# EAGLE board 14202-RedBoard-Panel (EAGLE 9.0.1), part 5 of 6
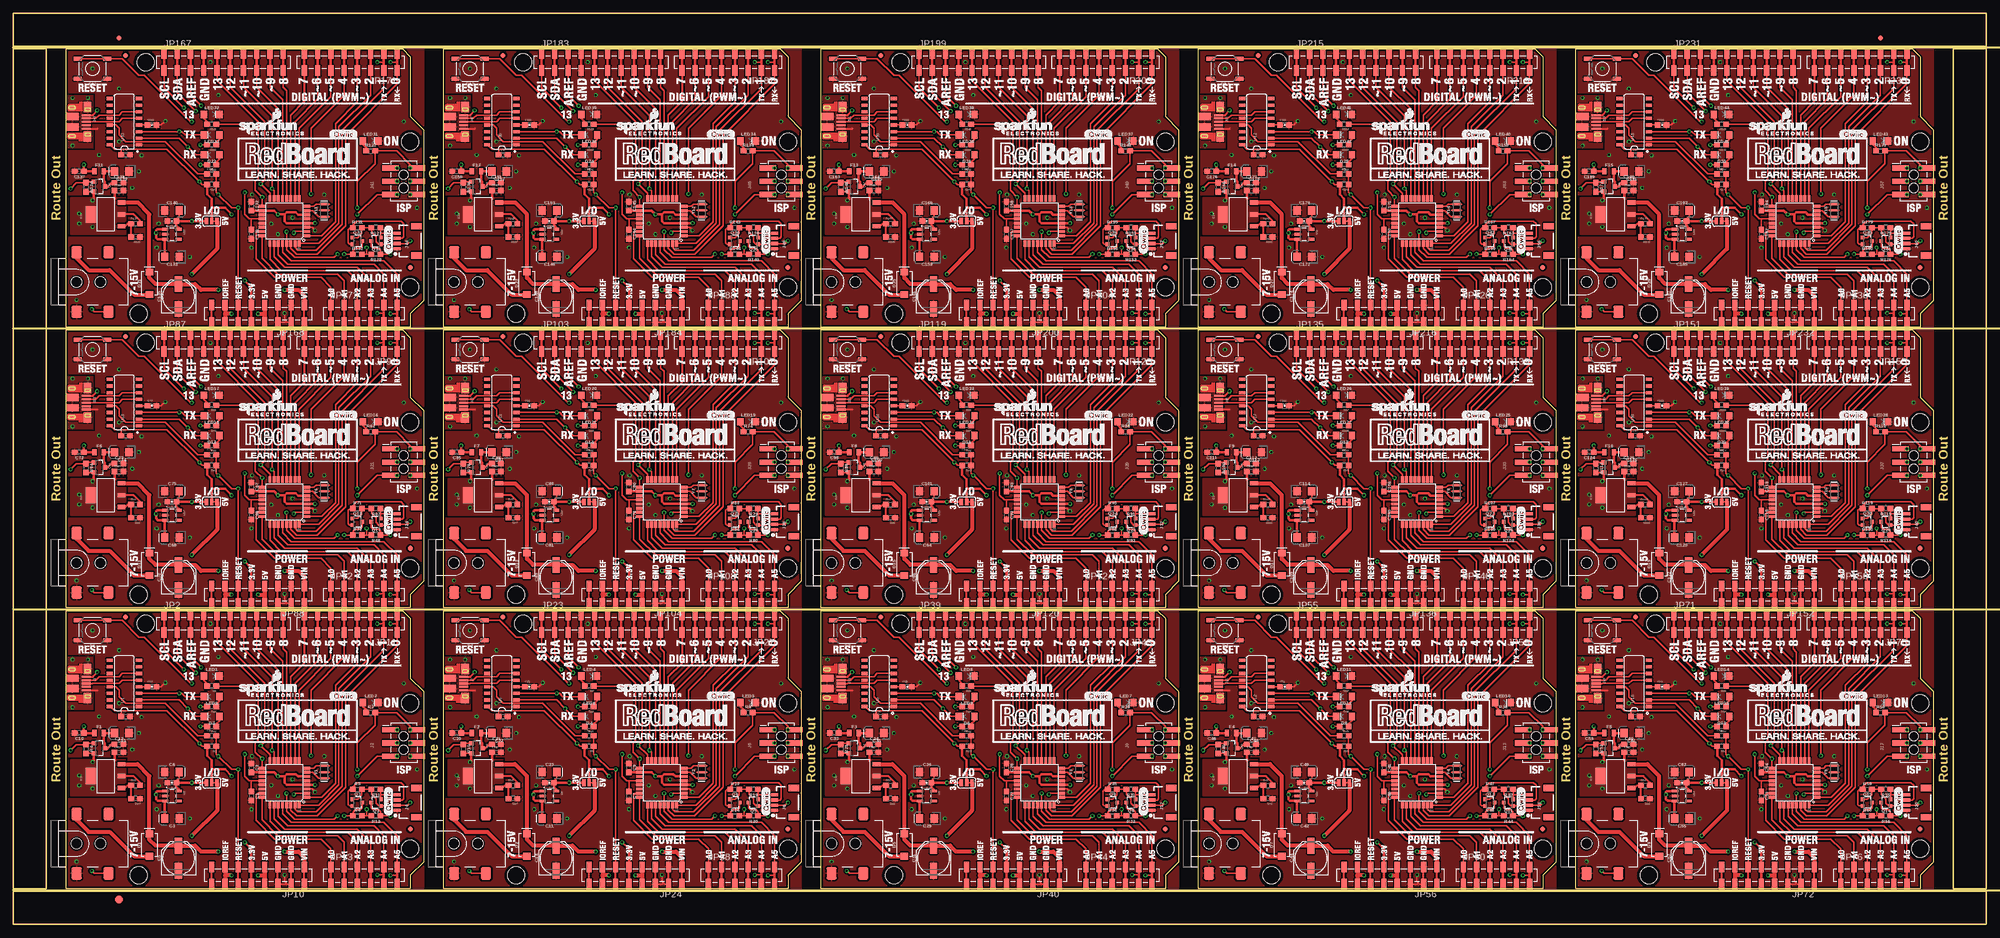
[diagram p0: board, top side]
## Tracks (layer width: path | path; a pad name or v marks a point on that pad's centre or on a via) (continued)
RESET2  (via drill 0.38, 0.38 pad 0.51) (continued)
  Top 0.305: v197.25,25.13 U7.29 197.25,21.7 198.75,20.19 206.38,20.19 v207.01,20.83 | 187.96,7.75 JP40.6 v187.96,29.72 186.69,29.72 v184.15,32.26 | TP18.P$1 J9.5 214.63,32.26 v210.82,28.45 | S3.4 S3.3 165.73,58.29 168.91,55.12 169.93,55.12 178.82,46.23 v179.07,46.23
  Bottom 0.305: v197.25,25.13 197.25,28.05 195.58,29.72 v187.96,29.72 | v184.15,32.26 184.15,41.15 v179.07,46.23 | v207.01,20.83 207.01,24.64 v210.82,28.45
  other vias: 218.44,32.26
RESET3  (via drill 0.38, 0.38 pad 0.51)
  Top 0.254: C45.2 R39.1 256.12,32.68 v256.54,32.26
  Top 0.305: v269.64,25.13 U10.29 269.64,21.7 271.15,20.19 278.77,20.19 v279.4,20.83 | 260.35,7.75 JP56.6 v260.35,29.72 259.08,29.72 v256.54,32.26 | TP24.P$1 J13.5 287.02,32.26 v283.21,28.45 | S4.4 S4.3 238.12,58.29 241.3,55.12 242.32,55.12 251.21,46.23 v251.46,46.23
  Bottom 0.305: v269.64,25.13 269.64,28.05 267.97,29.72 v260.35,29.72 | v256.54,32.26 256.54,41.15 v251.46,46.23 | v279.4,20.83 279.4,24.64 v283.21,28.45
  other vias: 290.83,32.26
RESET4  (via drill 0.38, 0.38 pad 0.51)
  Top 0.254: C58.2 R51.1 328.51,32.68 v328.93,32.26
  Top 0.305: v342.03,25.13 U13.29 342.03,21.7 343.54,20.19 351.16,20.19 v351.79,20.83 | 332.74,7.75 JP72.6 v332.74,29.72 331.47,29.72 v328.93,32.26 | TP30.P$1 J17.5 359.41,32.26 v355.6,28.45 | S5.4 S5.3 310.52,58.29 313.69,55.12 314.71,55.12 323.6,46.23 v323.85,46.23
  Bottom 0.305: v342.03,25.13 342.03,28.05 340.36,29.72 v332.74,29.72 | v328.93,32.26 328.93,41.15 v323.85,46.23 | v351.79,20.83 351.79,24.64 v355.6,28.45
  other vias: 363.22,32.26
RESET5  (via drill 0.38, 0.38 pad 0.51)
  Top 0.254: C71.2 R63.1 38.95,86.53 v39.37,86.11
  Top 0.305: v52.47,78.98 U16.29 52.47,75.55 53.97,74.04 61.59,74.04 v62.23,74.68 | 43.18,61.6 JP88.6 v43.18,83.57 41.91,83.57 v39.37,86.11 | TP36.P$1 J21.5 69.85,86.11 v66.04,82.3 | S6.4 S6.3 20.95,112.14 24.13,108.97 25.15,108.97 34.04,100.08 v34.29,100.08
  Bottom 0.305: v52.47,78.98 52.47,81.9 50.8,83.57 v43.18,83.57 | v39.37,86.11 39.37,95 v34.29,100.08 | v62.23,74.68 62.23,78.49 v66.04,82.3
  other vias: 73.66,86.11
RESET6  (via drill 0.38, 0.38 pad 0.51)
  Top 0.254: C84.2 R75.1 111.34,86.53 v111.76,86.11
  Top 0.305: v124.86,78.98 U19.29 124.86,75.55 126.36,74.04 133.99,74.04 v134.62,74.68 | 115.57,61.6 JP104.6 v115.57,83.57 114.3,83.57 v111.76,86.11 | TP42.P$1 J25.5 142.24,86.11 v138.43,82.3 | S7.4 S7.3 93.34,112.14 96.52,108.97 97.54,108.97 106.43,100.08 v106.68,100.08
  Bottom 0.305: v124.86,78.98 124.86,81.9 123.19,83.57 v115.57,83.57 | v111.76,86.11 111.76,95 v106.68,100.08 | v134.62,74.68 134.62,78.49 v138.43,82.3
  other vias: 146.05,86.11
RESET7  (via drill 0.38, 0.38 pad 0.51)
  Top 0.254: C97.2 R87.1 183.73,86.53 v184.15,86.11
  Top 0.305: v197.25,78.98 U22.29 197.25,75.55 198.75,74.04 206.38,74.04 v207.01,74.68 | 187.96,61.6 JP120.6 v187.96,83.57 186.69,83.57 v184.15,86.11 | TP48.P$1 J29.5 214.63,86.11 v210.82,82.3 | S8.4 S8.3 165.73,112.14 168.91,108.97 169.93,108.97 178.82,100.08 v179.07,100.08
  Bottom 0.305: v197.25,78.98 197.25,81.9 195.58,83.57 v187.96,83.57 | v184.15,86.11 184.15,95 v179.07,100.08 | v207.01,74.68 207.01,78.49 v210.82,82.3
  other vias: 218.44,86.11
RESET8  (via drill 0.38, 0.38 pad 0.51)
  Top 0.254: C110.2 R99.1 256.12,86.53 v256.54,86.11
  Top 0.305: v269.64,78.98 U25.29 269.64,75.55 271.15,74.04 278.77,74.04 v279.4,74.68 | 260.35,61.6 JP136.6 v260.35,83.57 259.08,83.57 v256.54,86.11 | TP54.P$1 J33.5 287.02,86.11 v283.21,82.3 | S9.4 S9.3 238.12,112.14 241.3,108.97 242.32,108.97 251.21,100.08 v251.46,100.08
  Bottom 0.305: v269.64,78.98 269.64,81.9 267.97,83.57 v260.35,83.57 | v256.54,86.11 256.54,95 v251.46,100.08 | v279.4,74.68 279.4,78.49 v283.21,82.3
  other vias: 290.83,86.11
RESET9  (via drill 0.38, 0.38 pad 0.51)
  Top 0.254: C123.2 R111.1 328.51,86.53 v328.93,86.11
  Top 0.305: v342.03,78.98 U28.29 342.03,75.55 343.54,74.04 351.16,74.04 v351.79,74.68 | 332.74,61.6 JP152.6 v332.74,83.57 331.47,83.57 v328.93,86.11 | TP60.P$1 J37.5 359.41,86.11 v355.6,82.3 | S10.4 S10.3 310.52,112.14 313.69,108.97 314.71,108.97 323.6,100.08 v323.85,100.08
  Bottom 0.305: v342.03,78.98 342.03,81.9 340.36,83.57 v332.74,83.57 | v328.93,86.11 328.93,95 v323.85,100.08 | v351.79,74.68 351.79,78.49 v355.6,82.3
  other vias: 363.22,86.11
RESET10  (via drill 0.38, 0.38 pad 0.51)
  Top 0.254: C136.2 R123.1 38.95,140.37 v39.37,139.95
  Top 0.305: v52.47,132.82 U31.29 52.47,129.39 53.97,127.89 61.59,127.89 v62.23,128.52 | 43.18,115.44 JP168.6 v43.18,137.41 41.91,137.41 v39.37,139.95 | TP66.P$1 J41.5 69.85,139.95 v66.04,136.14 | S11.4 S11.3 20.95,165.99 24.13,162.81 25.15,162.81 34.04,153.92 v34.29,153.92
  Bottom 0.305: v52.47,132.82 52.47,135.74 50.8,137.41 v43.18,137.41 | v39.37,139.95 39.37,148.84 v34.29,153.92 | v62.23,128.52 62.23,132.33 v66.04,136.14
  other vias: 73.66,139.95
RESET11  (via drill 0.38, 0.38 pad 0.51)
  Top 0.254: C149.2 R135.1 111.34,140.37 v111.76,139.95
  Top 0.305: v124.86,132.82 U34.29 124.86,129.39 126.36,127.89 133.99,127.89 v134.62,128.52 | 115.57,115.44 JP184.6 v115.57,137.41 114.3,137.41 v111.76,139.95 | TP72.P$1 J45.5 142.24,139.95 v138.43,136.14 | S12.4 S12.3 93.34,165.99 96.52,162.81 97.54,162.81 106.43,153.92 v106.68,153.92
  Bottom 0.305: v124.86,132.82 124.86,135.74 123.19,137.41 v115.57,137.41 | v111.76,139.95 111.76,148.84 v106.68,153.92 | v134.62,128.52 134.62,132.33 v138.43,136.14
  other vias: 146.05,139.95
RESET12  (via drill 0.38, 0.38 pad 0.51)
  Top 0.254: C162.2 R147.1 183.73,140.37 v184.15,139.95
  Top 0.305: v197.25,132.82 U37.29 197.25,129.39 198.75,127.89 206.38,127.89 v207.01,128.52 | 187.96,115.44 JP200.6 v187.96,137.41 186.69,137.41 v184.15,139.95 | TP78.P$1 J49.5 214.63,139.95 v210.82,136.14 | S13.4 S13.3 165.73,165.99 168.91,162.81 169.93,162.81 178.82,153.92 v179.07,153.92
  Bottom 0.305: v197.25,132.82 197.25,135.74 195.58,137.41 v187.96,137.41 | v184.15,139.95 184.15,148.84 v179.07,153.92 | v207.01,128.52 207.01,132.33 v210.82,136.14
  other vias: 218.44,139.95
RESET13  (via drill 0.38, 0.38 pad 0.51)
  Top 0.254: C175.2 R159.1 256.12,140.37 v256.54,139.95
  Top 0.305: v269.64,132.82 U40.29 269.64,129.39 271.15,127.89 278.77,127.89 v279.4,128.52 | 260.35,115.44 JP216.6 v260.35,137.41 259.08,137.41 v256.54,139.95 | TP84.P$1 J53.5 287.02,139.95 v283.21,136.14 | S14.4 S14.3 238.12,165.99 241.3,162.81 242.32,162.81 251.21,153.92 v251.46,153.92
  Bottom 0.305: v269.64,132.82 269.64,135.74 267.97,137.41 v260.35,137.41 | v256.54,139.95 256.54,148.84 v251.46,153.92 | v279.4,128.52 279.4,132.33 v283.21,136.14
  other vias: 290.83,139.95
RESET14  (via drill 0.38, 0.38 pad 0.51)
  Top 0.254: C188.2 R171.1 328.51,140.37 v328.93,139.95
  Top 0.305: v342.03,132.82 U43.29 342.03,129.39 343.54,127.89 351.16,127.89 v351.79,128.52 | 332.74,115.44 JP232.6 v332.74,137.41 331.47,137.41 v328.93,139.95 | TP90.P$1 J57.5 359.41,139.95 v355.6,136.14 | S15.4 S15.3 310.52,165.99 313.69,162.81 314.71,162.81 323.6,153.92 v323.85,153.92
  Bottom 0.305: v342.03,132.82 342.03,135.74 340.36,137.41 v332.74,137.41 | v328.93,139.95 328.93,148.84 v323.85,153.92 | v351.79,128.52 351.79,132.33 v355.6,136.14
  other vias: 363.22,139.95
RX-I  (via drill 0.38)
  Top 0.254: JP11.1B 73.66,56.39
  Top 0.305: U4.30 53.27,21.91 54.36,20.83 58.29,20.83 63.75,26.29 63.75,43.56 73.66,53.47 JP11.1A 73.66,56.39 73.66,57.66 v72.39,57.66 | U1.2 31.88,43.05 v33.53,41.4 35.05,39.88 D3.C
  Bottom 0.305: v72.39,57.66 69.85,55.12 34.29,55.12 31.75,52.58 31.75,46.86 33.53,45.08 v33.53,41.4
RX-I1  (via drill 0.38)
  Top 0.254: JP27.1B 146.05,56.39
  Top 0.305: U2.30 125.66,21.91 126.75,20.83 130.68,20.83 136.14,26.29 136.14,43.56 146.05,53.47 JP27.1A 146.05,56.39 146.05,57.66 v144.78,57.66 | U6.2 104.27,43.05 v105.92,41.4 107.44,39.88 D4.C
  Bottom 0.305: v144.78,57.66 142.24,55.12 106.68,55.12 104.14,52.58 104.14,46.86 105.92,45.08 v105.92,41.4
RX-I2  (via drill 0.38)
  Top 0.254: JP43.1B 218.44,56.39
  Top 0.305: U7.30 198.05,21.91 199.14,20.83 203.07,20.83 208.53,26.29 208.53,43.56 218.44,53.47 JP43.1A 218.44,56.39 218.44,57.66 v217.17,57.66 | U9.2 176.66,43.05 v178.31,41.4 179.83,39.88 D6.C
  Bottom 0.305: v217.17,57.66 214.63,55.12 179.07,55.12 176.53,52.58 176.53,46.86 178.31,45.08 v178.31,41.4
RX-I3  (via drill 0.38)
  Top 0.254: JP59.1B 290.83,56.39
  Top 0.305: U10.30 270.44,21.91 271.53,20.83 275.46,20.83 280.92,26.29 280.92,43.56 290.83,53.47 JP59.1A 290.83,56.39 290.83,57.66 v289.56,57.66 | U12.2 249.05,43.05 v250.7,41.4 252.22,39.88 D8.C
  Bottom 0.305: v289.56,57.66 287.02,55.12 251.46,55.12 248.92,52.58 248.92,46.86 250.7,45.08 v250.7,41.4
RX-I4  (via drill 0.38)
  Top 0.254: JP75.1B 363.22,56.39
  Top 0.305: U13.30 342.83,21.91 343.92,20.83 347.85,20.83 353.31,26.29 353.31,43.56 363.22,53.47 JP75.1A 363.22,56.39 363.22,57.66 v361.95,57.66 | U15.2 321.44,43.05 v323.09,41.4 324.61,39.88 D10.C
  Bottom 0.305: v361.95,57.66 359.41,55.12 323.85,55.12 321.31,52.58 321.31,46.86 323.09,45.08 v323.09,41.4
RX-I5  (via drill 0.38)
  Top 0.254: JP91.1B 73.66,110.24
  Top 0.305: U16.30 53.27,75.76 54.36,74.68 58.29,74.68 63.75,80.14 63.75,97.41 73.66,107.31 JP91.1A 73.66,110.24 73.66,111.51 v72.39,111.51 | U18.2 31.88,96.9 v33.53,95.25 35.05,93.73 D12.C
  Bottom 0.305: v72.39,111.51 69.85,108.97 34.29,108.97 31.75,106.43 31.75,100.71 33.53,98.93 v33.53,95.25
RX-I6  (via drill 0.38)
  Top 0.254: JP107.1B 146.05,110.24
  Top 0.305: U19.30 125.66,75.76 126.75,74.68 130.68,74.68 136.14,80.14 136.14,97.41 146.05,107.31 JP107.1A 146.05,110.24 146.05,111.51 v144.78,111.51 | U21.2 104.27,96.9 v105.92,95.25 107.44,93.73 D14.C
  Bottom 0.305: v144.78,111.51 142.24,108.97 106.68,108.97 104.14,106.43 104.14,100.71 105.92,98.93 v105.92,95.25
RX-I7  (via drill 0.38)
  Top 0.254: JP123.1B 218.44,110.24
  Top 0.305: U22.30 198.05,75.76 199.14,74.68 203.07,74.68 208.53,80.14 208.53,97.41 218.44,107.31 JP123.1A 218.44,110.24 218.44,111.51 v217.17,111.51 | U24.2 176.66,96.9 v178.31,95.25 179.83,93.73 D16.C
  Bottom 0.305: v217.17,111.51 214.63,108.97 179.07,108.97 176.53,106.43 176.53,100.71 178.31,98.93 v178.31,95.25
RX-I8  (via drill 0.38)
  Top 0.254: JP139.1B 290.83,110.24
  Top 0.305: U25.30 270.44,75.76 271.53,74.68 275.46,74.68 280.92,80.14 280.92,97.41 290.83,107.31 JP139.1A 290.83,110.24 290.83,111.51 v289.56,111.51 | U27.2 249.05,96.9 v250.7,95.25 252.22,93.73 D18.C
  Bottom 0.305: v289.56,111.51 287.02,108.97 251.46,108.97 248.92,106.43 248.92,100.71 250.7,98.93 v250.7,95.25
RX-I9  (via drill 0.38)
  Top 0.254: JP155.1B 363.22,110.24
  Top 0.305: U28.30 342.83,75.76 343.92,74.68 347.85,74.68 353.31,80.14 353.31,97.41 363.22,107.31 JP155.1A 363.22,110.24 363.22,111.51 v361.95,111.51 | U30.2 321.44,96.9 v323.09,95.25 324.61,93.73 D20.C
  Bottom 0.305: v361.95,111.51 359.41,108.97 323.85,108.97 321.31,106.43 321.31,100.71 323.09,98.93 v323.09,95.25
RX-I10  (via drill 0.38)
  Top 0.254: JP171.1B 73.66,164.08
  Top 0.305: U31.30 53.27,129.61 54.36,128.52 58.29,128.52 63.75,133.98 63.75,151.26 73.66,161.16 JP171.1A 73.66,164.08 73.66,165.35 v72.39,165.35 | U33.2 31.88,150.75 v33.53,149.1 35.05,147.57 D22.C
  Bottom 0.305: v72.39,165.35 69.85,162.81 34.29,162.81 31.75,160.27 31.75,154.56 33.53,152.78 v33.53,149.1
RX-I11  (via drill 0.38)
  Top 0.254: JP187.1B 146.05,164.08
  Top 0.305: U34.30 125.66,129.61 126.75,128.52 130.68,128.52 136.14,133.98 136.14,151.26 146.05,161.16 JP187.1A 146.05,164.08 146.05,165.35 v144.78,165.35 | U36.2 104.27,150.75 v105.92,149.1 107.44,147.57 D24.C
  Bottom 0.305: v144.78,165.35 142.24,162.81 106.68,162.81 104.14,160.27 104.14,154.56 105.92,152.78 v105.92,149.1
RX-I12  (via drill 0.38)
  Top 0.254: JP203.1B 218.44,164.08
  Top 0.305: U37.30 198.05,129.61 199.14,128.52 203.07,128.52 208.53,133.98 208.53,151.26 218.44,161.16 JP203.1A 218.44,164.08 218.44,165.35 v217.17,165.35 | U39.2 176.66,150.75 v178.31,149.1 179.83,147.57 D26.C
  Bottom 0.305: v217.17,165.35 214.63,162.81 179.07,162.81 176.53,160.27 176.53,154.56 178.31,152.78 v178.31,149.1
RX-I13  (via drill 0.38)
  Top 0.254: JP219.1B 290.83,164.08
  Top 0.305: U40.30 270.44,129.61 271.53,128.52 275.46,128.52 280.92,133.98 280.92,151.26 290.83,161.16 JP219.1A 290.83,164.08 290.83,165.35 v289.56,165.35 | U42.2 249.05,150.75 v250.7,149.1 252.22,147.57 D28.C
  Bottom 0.305: v289.56,165.35 287.02,162.81 251.46,162.81 248.92,160.27 248.92,154.56 250.7,152.78 v250.7,149.1
RX-I14  (via drill 0.38)
  Top 0.254: JP235.1B 363.22,164.08
  Top 0.305: U43.30 342.83,129.61 343.92,128.52 347.85,128.52 353.31,133.98 353.31,151.26 363.22,161.16 JP235.1A 363.22,164.08 363.22,165.35 v361.95,165.35 | U45.2 321.44,150.75 v323.09,149.1 324.61,147.57 D30.C
  Bottom 0.305: v361.95,165.35 359.41,162.81 323.85,162.81 321.31,160.27 321.31,154.56 323.09,152.78 v323.09,149.1
SCK  (via drill 0.38, 0.38 pad 0.51)
  Top 0.254: JP2.5B JP2.5A
  Top 0.305: U4.17 v47.78,31.78 46.48,33.07 46.48,34.8 46.99,35.31 46.99,45.72 | J2.3 TP5.P$1 | JP2.5B 39.12,54.1 46.99,46.23 46.99,45.72 | R1.1 46.99,45.72
  Bottom 0.305: v47.78,31.78 47.78,32.92 49.66,34.8 TP5.P$1
  other vias: 73.66,34.8
SCK1  (via drill 0.38, 0.38 pad 0.51)
  Top 0.254: JP23.5B JP23.5A
  Top 0.305: U2.17 v120.17,31.78 118.87,33.07 118.87,34.8 119.38,35.31 119.38,45.72 | J5.3 TP11.P$1 | JP23.5B 111.51,54.1 119.38,46.23 119.38,45.72 | R7.1 119.38,45.72
  Bottom 0.305: v120.17,31.78 120.17,32.92 122.05,34.8 TP11.P$1
  other vias: 146.05,34.8
SCK2  (via drill 0.38, 0.38 pad 0.51)
  Top 0.254: JP39.5B JP39.5A
  Top 0.305: U7.17 v192.56,31.78 191.26,33.07 191.26,34.8 191.77,35.31 191.77,45.72 | J9.3 TP17.P$1 | JP39.5B 183.9,54.1 191.77,46.23 191.77,45.72 | R25.1 191.77,45.72
  Bottom 0.305: v192.56,31.78 192.56,32.92 194.44,34.8 TP17.P$1
  other vias: 218.44,34.8
SCK3  (via drill 0.38, 0.38 pad 0.51)
  Top 0.254: JP55.5B JP55.5A
  Top 0.305: U10.17 v264.95,31.78 263.65,33.07 263.65,34.8 264.16,35.31 264.16,45.72 | J13.3 TP23.P$1 | JP55.5B 256.29,54.1 264.16,46.23 264.16,45.72 | R37.1 264.16,45.72
  Bottom 0.305: v264.95,31.78 264.95,32.92 266.83,34.8 TP23.P$1
  other vias: 290.83,34.8
SCK4  (via drill 0.38, 0.38 pad 0.51)
  Top 0.254: JP71.5B JP71.5A
  Top 0.305: U13.17 v337.34,31.78 336.04,33.07 336.04,34.8 336.55,35.31 336.55,45.72 | J17.3 TP29.P$1 | JP71.5B 328.68,54.1 336.55,46.23 336.55,45.72 | R49.1 336.55,45.72
  Bottom 0.305: v337.34,31.78 337.34,32.92 339.22,34.8 TP29.P$1
  other vias: 363.22,34.8
SCK5  (via drill 0.38, 0.38 pad 0.51)
  Top 0.254: JP87.5B JP87.5A
  Top 0.305: U16.17 v47.78,85.62 46.48,86.92 46.48,88.65 46.99,89.15 46.99,99.57 | J21.3 TP35.P$1 | JP87.5B 39.12,107.95 46.99,100.08 46.99,99.57 | R61.1 46.99,99.57
  Bottom 0.305: v47.78,85.62 47.78,86.77 49.66,88.65 TP35.P$1
  other vias: 73.66,88.65
SCK6  (via drill 0.38, 0.38 pad 0.51)
  Top 0.254: JP103.5B JP103.5A
  Top 0.305: U19.17 v120.17,85.62 118.87,86.92 118.87,88.65 119.38,89.15 119.38,99.57 | J25.3 TP41.P$1 | JP103.5B 111.51,107.95 119.38,100.08 119.38,99.57 | R73.1 119.38,99.57
  Bottom 0.305: v120.17,85.62 120.17,86.77 122.05,88.65 TP41.P$1
  other vias: 146.05,88.65
SCK7  (via drill 0.38, 0.38 pad 0.51)
  Top 0.254: JP119.5B JP119.5A
  Top 0.305: U22.17 v192.56,85.62 191.26,86.92 191.26,88.65 191.77,89.15 191.77,99.57 | J29.3 TP47.P$1 | JP119.5B 183.9,107.95 191.77,100.08 191.77,99.57 | R85.1 191.77,99.57
  Bottom 0.305: v192.56,85.62 192.56,86.77 194.44,88.65 TP47.P$1
  other vias: 218.44,88.65
SCK8  (via drill 0.38, 0.38 pad 0.51)
  Top 0.254: JP135.5B JP135.5A
  Top 0.305: U25.17 v264.95,85.62 263.65,86.92 263.65,88.65 264.16,89.15 264.16,99.57 | J33.3 TP53.P$1 | JP135.5B 256.29,107.95 264.16,100.08 264.16,99.57 | R97.1 264.16,99.57
  Bottom 0.305: v264.95,85.62 264.95,86.77 266.83,88.65 TP53.P$1
  other vias: 290.83,88.65
SCK9  (via drill 0.38, 0.38 pad 0.51)
  Top 0.254: JP151.5B JP151.5A
  Top 0.305: U28.17 v337.34,85.62 336.04,86.92 336.04,88.65 336.55,89.15 336.55,99.57 | J37.3 TP59.P$1 | JP151.5B 328.68,107.95 336.55,100.08 336.55,99.57 | R109.1 336.55,99.57
  Bottom 0.305: v337.34,85.62 337.34,86.77 339.22,88.65 TP59.P$1
  other vias: 363.22,88.65
SCK10  (via drill 0.38, 0.38 pad 0.51)
  Top 0.254: JP167.5B JP167.5A
  Top 0.305: U31.17 v47.78,139.47 46.48,140.77 46.48,142.49 46.99,143 46.99,153.42 | J41.3 TP65.P$1 | JP167.5B 39.12,161.8 46.99,153.92 46.99,153.42 | R121.1 46.99,153.42
  Bottom 0.305: v47.78,139.47 47.78,140.61 49.66,142.49 TP65.P$1
  other vias: 73.66,142.49
SCK11  (via drill 0.38, 0.38 pad 0.51)
  Top 0.254: JP183.5B JP183.5A
  Top 0.305: U34.17 v120.17,139.47 118.87,140.77 118.87,142.49 119.38,143 119.38,153.42 | J45.3 TP71.P$1 | JP183.5B 111.51,161.8 119.38,153.92 119.38,153.42 | R133.1 119.38,153.42
  Bottom 0.305: v120.17,139.47 120.17,140.61 122.05,142.49 TP71.P$1
  other vias: 146.05,142.49
SCK12  (via drill 0.38, 0.38 pad 0.51)
  Top 0.254: JP199.5B JP199.5A
  Top 0.305: U37.17 v192.56,139.47 191.26,140.77 191.26,142.49 191.77,143 191.77,153.42 | J49.3 TP77.P$1 | JP199.5B 183.9,161.8 191.77,153.92 191.77,153.42 | R145.1 191.77,153.42
  Bottom 0.305: v192.56,139.47 192.56,140.61 194.44,142.49 TP77.P$1
  other vias: 218.44,142.49
SCK13  (via drill 0.38, 0.38 pad 0.51)
  Top 0.254: JP215.5B JP215.5A
  Top 0.305: U40.17 v264.95,139.47 263.65,140.77 263.65,142.49 264.16,143 264.16,153.42 | J53.3 TP83.P$1 | JP215.5B 256.29,161.8 264.16,153.92 264.16,153.42 | R157.1 264.16,153.42
  Bottom 0.305: v264.95,139.47 264.95,140.61 266.83,142.49 TP83.P$1
  other vias: 290.83,142.49
SCK14  (via drill 0.38, 0.38 pad 0.51)
  Top 0.254: JP231.5B JP231.5A
  Top 0.305: U43.17 v337.34,139.47 336.04,140.77 336.04,142.49 336.55,143 336.55,153.42 | J57.3 TP89.P$1 | JP231.5B 328.68,161.8 336.55,153.92 336.55,153.42 | R169.1 336.55,153.42
  Bottom 0.305: v337.34,139.47 337.34,140.61 339.22,142.49 TP89.P$1
  other vias: 363.22,142.49
SHLD  (via drill 0.38)
  other vias: 11.43,50.8 14.35,50.8 11.43,41.66
  pour Bottom: 10.16,51.31 15.24,51.31 15.24,41.15 10.16,41.15
  pour Top: 10.16,51.31 15.24,51.31 15.24,41.15 10.16,41.15
SHLD1  (via drill 0.38)
  other vias: 83.82,50.8 86.74,50.8 83.82,41.66
  pour Bottom: 82.55,51.31 87.63,51.31 87.63,41.15 82.55,41.15
  pour Top: 82.55,51.31 87.63,51.31 87.63,41.15 82.55,41.15
SHLD2  (via drill 0.38)
  other vias: 156.21,50.8 159.13,50.8 156.21,41.66
  pour Bottom: 154.94,51.31 160.02,51.31 160.02,41.15 154.94,41.15
  pour Top: 154.94,51.31 160.02,51.31 160.02,41.15 154.94,41.15
SHLD3  (via drill 0.38)
  other vias: 228.6,50.8 231.52,50.8 228.6,41.66
  pour Bottom: 227.33,51.31 232.41,51.31 232.41,41.15 227.33,41.15
  pour Top: 227.33,51.31 232.41,51.31 232.41,41.15 227.33,41.15
SHLD4  (via drill 0.38)
  other vias: 300.99,50.8 303.91,50.8 300.99,41.66
  pour Bottom: 299.72,51.31 304.8,51.31 304.8,41.15 299.72,41.15
  pour Top: 299.72,51.31 304.8,51.31 304.8,41.15 299.72,41.15
SHLD5  (via drill 0.38)
  other vias: 11.43,104.65 14.35,104.65 11.43,95.5
  pour Bottom: 10.16,105.16 15.24,105.16 15.24,95 10.16,95
  pour Top: 10.16,105.16 15.24,105.16 15.24,95 10.16,95
SHLD6  (via drill 0.38)
  other vias: 83.82,104.65 86.74,104.65 83.82,95.5
  pour Bottom: 82.55,105.16 87.63,105.16 87.63,95 82.55,95
  pour Top: 82.55,105.16 87.63,105.16 87.63,95 82.55,95
SHLD7  (via drill 0.38)
  other vias: 156.21,104.65 159.13,104.65 156.21,95.5
  pour Bottom: 154.94,105.16 160.02,105.16 160.02,95 154.94,95
  pour Top: 154.94,105.16 160.02,105.16 160.02,95 154.94,95
SHLD8  (via drill 0.38)
  other vias: 228.6,104.65 231.52,104.65 228.6,95.5
  pour Bottom: 227.33,105.16 232.41,105.16 232.41,95 227.33,95
  pour Top: 227.33,105.16 232.41,105.16 232.41,95 227.33,95
SHLD9  (via drill 0.38)
  other vias: 300.99,104.65 303.91,104.65 300.99,95.5
  pour Bottom: 299.72,105.16 304.8,105.16 304.8,95 299.72,95
  pour Top: 299.72,105.16 304.8,105.16 304.8,95 299.72,95
SHLD10  (via drill 0.38)
  other vias: 11.43,158.5 14.35,158.5 11.43,149.35
  pour Bottom: 10.16,159 15.24,159 15.24,148.84 10.16,148.84
  pour Top: 10.16,159 15.24,159 15.24,148.84 10.16,148.84
SHLD11  (via drill 0.38)
  other vias: 83.82,158.5 86.74,158.5 83.82,149.35
  pour Bottom: 82.55,159 87.63,159 87.63,148.84 82.55,148.84
  pour Top: 82.55,159 87.63,159 87.63,148.84 82.55,148.84
SHLD12  (via drill 0.38)
  other vias: 156.21,158.5 159.13,158.5 156.21,149.35
  pour Bottom: 154.94,159 160.02,159 160.02,148.84 154.94,148.84
  pour Top: 154.94,159 160.02,159 160.02,148.84 154.94,148.84
SHLD13  (via drill 0.38)
  other vias: 228.6,158.5 231.52,158.5 228.6,149.35
  pour Bottom: 227.33,159 232.41,159 232.41,148.84 227.33,148.84
  pour Top: 227.33,159 232.41,159 232.41,148.84 227.33,148.84
SHLD14  (via drill 0.38)
  other vias: 300.99,158.5 303.91,158.5 300.99,149.35
  pour Bottom: 299.72,159 304.8,159 304.8,148.84 299.72,148.84
  pour Top: 299.72,159 304.8,159 304.8,148.84 299.72,148.84
SS
  Top 0.254: JP2.8A JP2.8B
  Top 0.305: U4.14 50.87,48.7 46.74,52.83 JP2.8B
SS1
  Top 0.254: JP23.8A JP23.8B
  Top 0.305: U2.14 123.26,48.7 119.13,52.83 JP23.8B
SS2
  Top 0.254: JP39.8A JP39.8B
  Top 0.305: U7.14 195.65,48.7 191.52,52.83 JP39.8B
SS3
  Top 0.254: JP55.8A JP55.8B
  Top 0.305: U10.14 268.04,48.7 263.91,52.83 JP55.8B
SS4
  Top 0.254: JP71.8A JP71.8B
  Top 0.305: U13.14 340.43,48.7 336.3,52.83 JP71.8B
SS5
  Top 0.254: JP87.8A JP87.8B
  Top 0.305: U16.14 50.87,102.55 46.74,106.68 JP87.8B
SS6
  Top 0.254: JP103.8A JP103.8B
  Top 0.305: U19.14 123.26,102.55 119.13,106.68 JP103.8B
SS7
  Top 0.254: JP119.8A JP119.8B
  Top 0.305: U22.14 195.65,102.55 191.52,106.68 JP119.8B
SS8
  Top 0.254: JP135.8A JP135.8B
  Top 0.305: U25.14 268.04,102.55 263.91,106.68 JP135.8B
SS9
  Top 0.254: JP151.8A JP151.8B
  Top 0.305: U28.14 340.43,102.55 336.3,106.68 JP151.8B
SS10
  Top 0.254: JP167.8A JP167.8B
  Top 0.305: U31.14 50.87,156.39 46.74,160.53 JP167.8B
SS11
  Top 0.254: JP183.8A JP183.8B
  Top 0.305: U34.14 123.26,156.39 119.13,160.53 JP183.8B
SS12
  Top 0.254: JP199.8A JP199.8B
  Top 0.305: U37.14 195.65,156.39 191.52,160.53 JP199.8B
SS13
  Top 0.254: JP215.8A JP215.8B
  Top 0.305: U40.14 268.04,156.39 263.91,160.53 JP215.8B
SS14
  Top 0.254: JP231.8A JP231.8B
  Top 0.305: U43.14 340.43,156.39 336.3,160.53 JP231.8B
TX-O  (via drill 0.38)
  Top 0.254: JP11.2A JP11.2B
  Top 0.305: U4.31 54.07,22.13 54.61,21.59 58.17,21.59 63.12,26.54 63.12,44.58 71.12,52.58 JP11.2B | v69.85,57.66 71.12,57.66 JP11.2A | LED5.C 33.02,43.69 32.39,44.32 v31.88,44.32 U1.3
  Bottom 0.305: v69.85,57.66 68.58,56.39 34.29,56.39 30.48,52.58 30.48,46.23 31.88,44.83 v31.88,44.32
TX-O1  (via drill 0.38)
  Top 0.254: JP27.2A JP27.2B
  Top 0.305: U2.31 126.46,22.13 127,21.59 130.56,21.59 135.51,26.54 135.51,44.58 143.51,52.58 JP27.2B | v142.24,57.66 143.51,57.66 JP27.2A | LED6.C 105.41,43.69 104.77,44.32 v104.27,44.32 U6.3
  Bottom 0.305: v142.24,57.66 140.97,56.39 106.68,56.39 102.87,52.58 102.87,46.23 104.27,44.83 v104.27,44.32
TX-O2  (via drill 0.38)
  Top 0.254: JP43.2A JP43.2B
  Top 0.305: U7.31 198.85,22.13 199.39,21.59 202.95,21.59 207.9,26.54 207.9,44.58 215.9,52.58 JP43.2B | v214.63,57.66 215.9,57.66 JP43.2A | LED9.C 177.8,43.69 177.16,44.32 v176.66,44.32 U9.3
  Bottom 0.305: v214.63,57.66 213.36,56.39 179.07,56.39 175.26,52.58 175.26,46.23 176.66,44.83 v176.66,44.32
TX-O3  (via drill 0.38)
  Top 0.254: JP59.2A JP59.2B
  Top 0.305: U10.31 271.24,22.13 271.78,21.59 275.34,21.59 280.29,26.54 280.29,44.58 288.29,52.58 JP59.2B | v287.02,57.66 288.29,57.66 JP59.2A | LED12.C 250.19,43.69 249.56,44.32 v249.05,44.32 U12.3
  Bottom 0.305: v287.02,57.66 285.75,56.39 251.46,56.39 247.65,52.58 247.65,46.23 249.05,44.83 v249.05,44.32
TX-O4  (via drill 0.38)
  Top 0.254: JP75.2A JP75.2B
  Top 0.305: U13.31 343.63,22.13 344.17,21.59 347.73,21.59 352.68,26.54 352.68,44.58 360.68,52.58 JP75.2B | v359.41,57.66 360.68,57.66 JP75.2A | LED15.C 322.58,43.69 321.95,44.32 v321.44,44.32 U15.3
  Bottom 0.305: v359.41,57.66 358.14,56.39 323.85,56.39 320.04,52.58 320.04,46.23 321.44,44.83 v321.44,44.32
TX-O5  (via drill 0.38)
  Top 0.254: JP91.2A JP91.2B
  Top 0.305: U16.31 54.07,75.98 54.61,75.44 58.17,75.44 63.12,80.39 63.12,98.42 71.12,106.43 JP91.2B | v69.85,111.51 71.12,111.51 JP91.2A | LED18.C 33.02,97.54 32.39,98.17 v31.88,98.17 U18.3
  Bottom 0.305: v69.85,111.51 68.58,110.24 34.29,110.24 30.48,106.43 30.48,100.08 31.88,98.68 v31.88,98.17
TX-O6  (via drill 0.38)
  Top 0.254: JP107.2A JP107.2B
  Top 0.305: U19.31 126.46,75.98 127,75.44 130.56,75.44 135.51,80.39 135.51,98.42 143.51,106.43 JP107.2B | v142.24,111.51 143.51,111.51 JP107.2A | LED21.C 105.41,97.54 104.77,98.17 v104.27,98.17 U21.3
  Bottom 0.305: v142.24,111.51 140.97,110.24 106.68,110.24 102.87,106.43 102.87,100.08 104.27,98.68 v104.27,98.17
TX-O7  (via drill 0.38)
  Top 0.254: JP123.2A JP123.2B
  Top 0.305: U22.31 198.85,75.98 199.39,75.44 202.95,75.44 207.9,80.39 207.9,98.42 215.9,106.43 JP123.2B | v214.63,111.51 215.9,111.51 JP123.2A | LED24.C 177.8,97.54 177.16,98.17 v176.66,98.17 U24.3